# KiCad board CPU.kicad_pcb (continued)
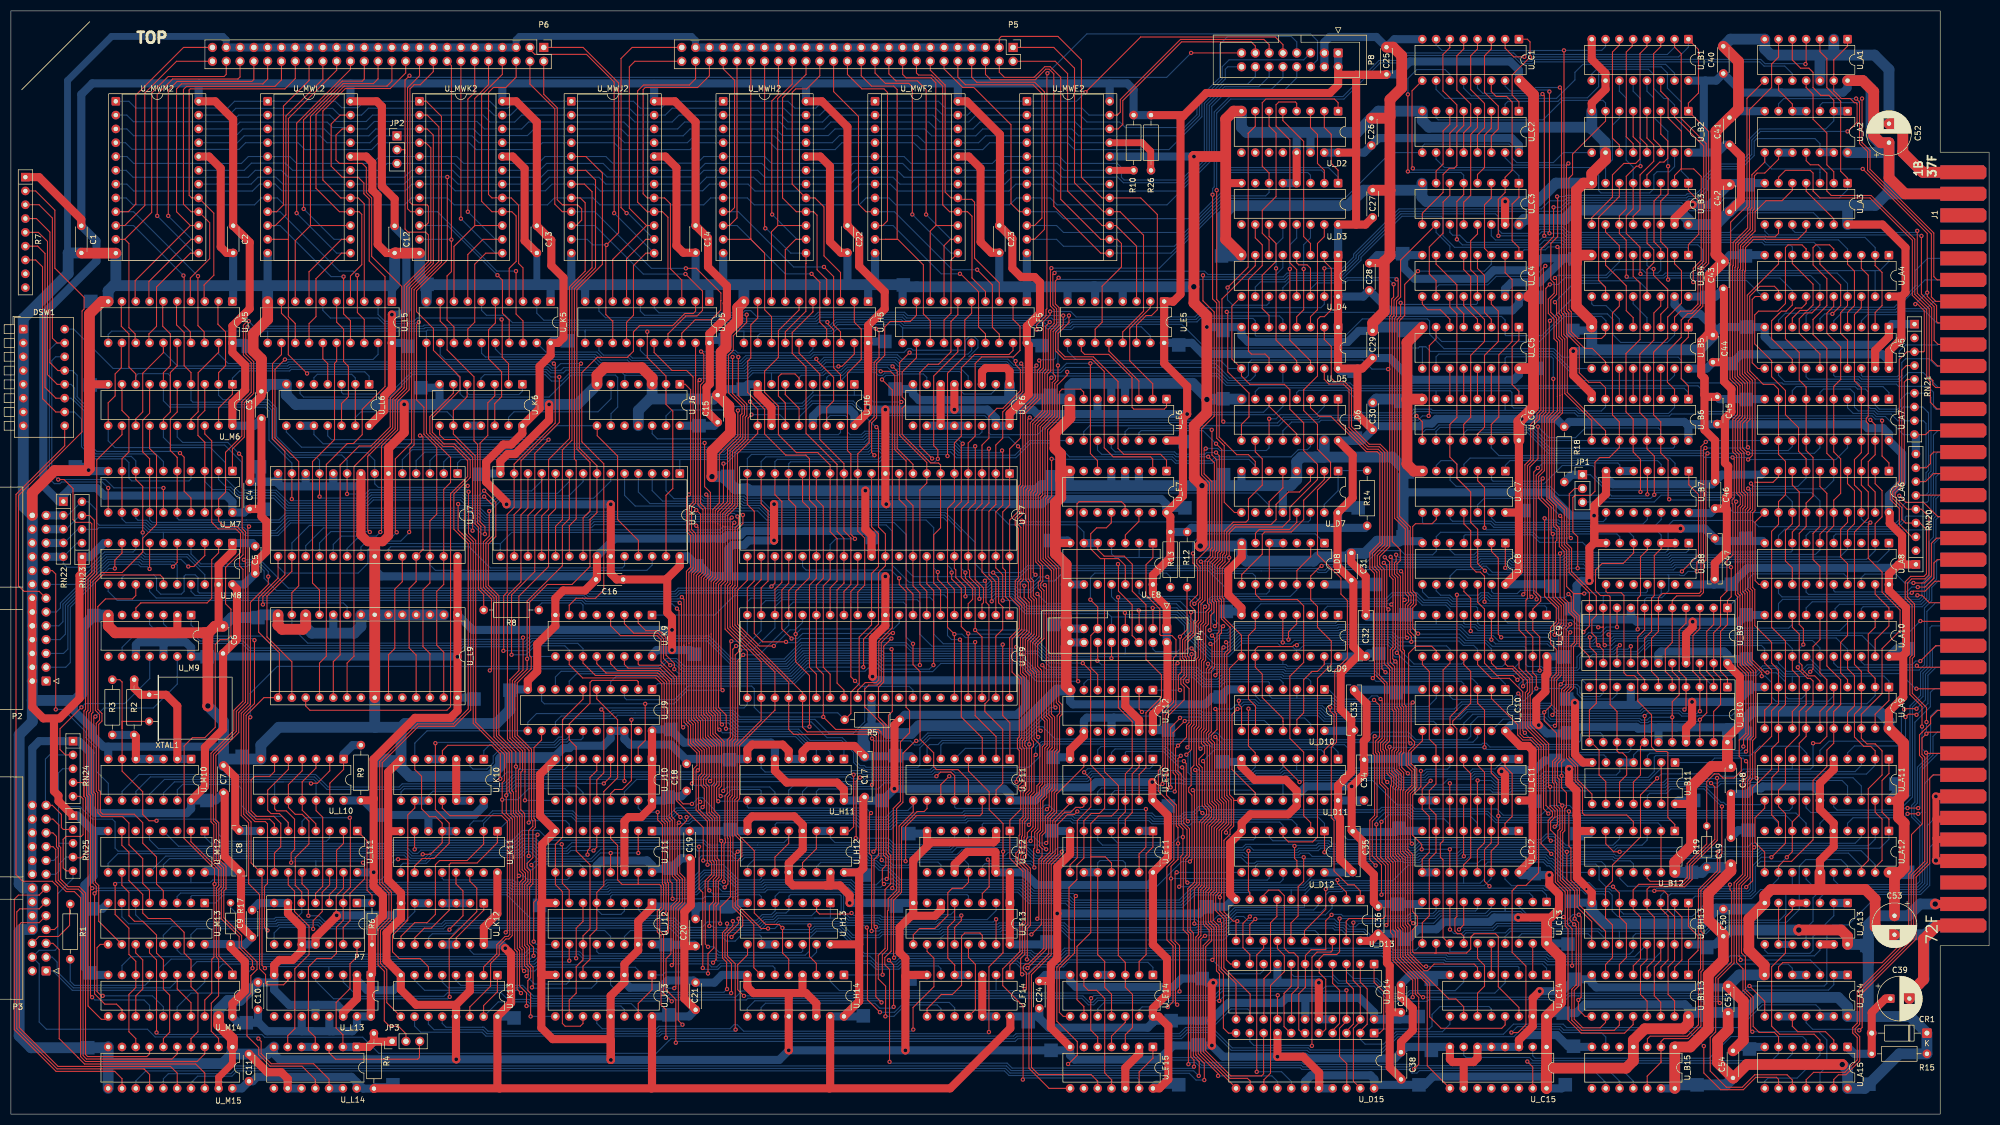
[diagram p0: board, top side]
## Routing (per net, layer and track width the routed paths; a pad name or vN(x,y) marks a point on that pad's centre or on a via; arc(x,y) is an arc through that point) (continued)
  Bottom w2: U_C3.16 278.44,164.64 285.84,164.64 287.54,166.34 306.88,166.34 308.66,164.56 U_B3.16 313.75,163.68 316.11,166.04 C42.1 317.4,167.21 339.33,167.21 ; 345.57,169.85 345.57,169.59 345.82,169.34 J1.2 ; 345.57,169.85 C52.1 343.69,178.74 342.27,180.16 342.27,188.65 340.74,190.17 U_A1.14 ; 345.57,169.85 345.57,169.72 343.06,167.21 337.95,167.21 U_A3.14 ; U_B10.22 315.85,70.94 319.05,70.94 ; 342.01,5.64 347.48,11.1 R15.1 CR1.1 349.51,17.96 341.61,17.96 341.58,17.99 U_A14.14 337.95,19.73 336.22,21.47 321.73,21.47 318.98,18.72 316.11,18.72 C51.1 315.85,18.72 309.39,18.72 U_BL13.16 ; v3(354.08,38.66) 351.29,38.66 349.13,36.5 C53.1 343.41,36.5 341.76,34.85 341.76,27.74 ; 318.82,70.97 318.82,72.44 320.53,74.14 343.74,74.14 345.56,72.32 U_A9.20 ; 341.76,27.74 341.76,17.99 ; 341.76,27.74 341.76,30.02 340.55,31.23 U_A13.14 ; C54.1 315.6,5.38 +5V#29.1 306.81,5.38 U_B15.14 ; C49.1 315.98,45.39 R19.1 311.13,44.47 U_B12.14 ; C50.1 316.24,33.88 v3(328.98,33.88) ; 337.95,176.93 344.33,176.93 ; +5V#10.1 341.12,4.74 U_A15.14 337.95,8.15 v3(336.98,9.13)
GND: length 5274.3
  Top w0.2: 59.87,36.18 59.87,40.23 61.19,41.56 U_L11.15
  Top w1.27: U_M15.1 40.77,9.32 38.23,6.78 U_M15.19 ; 345.56,144.2 U_A5.1
  Top w1.5: C2.2 39.71,158.46 38.61,159.56 38.61,174.04 36.45,176.2 U_MWM2.20 ; RN23.1 13.08,99.51 12.63,99.06 12.63,76.51 8.94,72.82 5.98,72.82 3.94,74.85 3.94,94.84 ; 145.54,22.28 145.67,22.4 U_H14.4 ; 145.54,22.28 143.64,22.28 ; 145.54,22.28 146.31,22.28 148.21,20.38 U_H14.14 ; U_E10.7 194.9,67.06 197.44,69.6 U_E12.9 ; U_E11.7 194.9,47.84 192.53,45.47 192.53,36.92 v2(192.53,36.92) 192.53,28.66 191.36,27.49 191.36,24.48 ; U_MWK2.20 92.33,176.2 94.53,174 94.53,160.71 C13.2 ; 267.08,9.58 265.31,9.58 264.78,10.1 U_C15.8 ; 267.08,9.58 269.12,9.58 269.86,10.32 U_C15.6 ; 267.08,9.58 267.32,9.34 U_C15.10 ; U_E8.8 194.21,97.46 194.17,97.49 ; 168.58,49.28 U_F12.7 ; C33.2 247.14,77.84 249.43,75.56 249.43,69.14 248.92,68.63 248.92,65.29 C34.2 249,62.6 v2(246.7,60.3) 246.7,52.24 C35.2 248.67,50.27 248.67,46.22 250.79,44.1 250.79,39 C36.2 ; U_MWL2.20 65.37,176.2 66.51,175.06 66.51,170.01 67.49,169.02 67.49,160.05 69.09,158.45 C12.2 70.37,158.21 ; 192.2,104.97 192.3,105.08 U_E8.7 ; U_A5.19 343.02,140.51 345.56,143.05 345.56,144.2 ; C37.2 255.78,21.6 256.77,20.62 256.8,20.62 257.94,19.48 257.94,15.42 255.78,13.26 C38.2 ; U_F6.6 U_F6.11 ; 252.66,156.59 249.99,156.59 C28.2 ; U_B12.7 289.08,52.09 ; C24.2 191.36,24.48 ; 191.36,24.48 191.36,15.9 U_E15.7 ; 38.08,89.76 38.23,89.91 U_M8.19 38.23,100.97 40.77,103.52 U_M8.1 ; P4.15 194.81,89.33 194.17,89.98 ; 311.62,135.39 311.62,132.37 312.02,131.97 C45.2 ; 311.62,135.39 311.03,135.99 311.03,142.29 312.09,143.35 C44.2 ; 311.62,135.39 311.62,125.91 313.58,123.95 313.58,116.45 C46.2 ; U_H11.5 143.13,66.86 141.99,68 136.4,68 135.51,67.1 U_H11.8 ; C32.2 249.3,98.9 246.64,101.57 246.64,103.24 C31.2 ; C8.2 41.28,52.95 41.28,61.99 C7.2 ; U_MWJ2.20 120.42,176.2 122.46,174.16 122.46,159.79 123.75,158.5 C14.2 ; 164.59,21.62 164.59,28.68 163.52,29.75 163.52,34.35 165.67,36.5 170.06,36.5 171.12,37.56 171.12,38.85 ; 164.59,21.62 v2(164.59,11.74) ; 164.59,21.62 164.59,25.45 164.75,25.6 U_F14.7 ; U_J12.1 117.97,38.01 115.43,35.47 U_J12.15 115.43,30.13 112.89,27.59 U_J13.3 112.89,24.29 110.35,21.75 U_J13.13 110.35,10.02 v2(110.4,9.97) 110.4,13.6 110.2,13.8 99.7,13.8 97.6,15.9 97.6,28.19 ; 291.34,108.13 291.34,111.94 293.5,114.1 U_B7.7 ; 291.34,108.13 291.34,107.24 ; 291.34,108.13 291.72,107.75 v2(307.22,107.75) ; 66.95,105.18 66.95,105.22 67.06,105.33 ; U_J13.8 97.6,25.6 97.6,28.19 ; 97.6,28.19 97.6,38.83 97.63,38.85 U_J12.8 97.75,38.85 97.75,49.65 U_J11.8 97.35,54.93 97.35,62.5 U_J10.8 ; U_H14.8 135.51,23.68 135.51,23.67 135.51,23.42 136.66,22.28 143.64,22.28 ; U_E15.12 205.06,8.51 207.6,11.05 U_E15.2 ; 240.73,4.74 240.73,7.61 237.77,10.57 v2(233.05,10.57) U_D15.8 ; U_H6.8 137.41,132.53 139.79,130.15 139.79,130.14 139.96,129.97 139.96,126.66 ; v3(217.66,152.24) 217.43,152.01 ; U_L14.9 50.94,6.52 49.75,7.71 47.17,7.71 C11.2 ; 181.28,52.09 181.28,50.48 180.8,50 169.3,50 166.04,46.74 U_F13.8 166.04,36.87 165.5,36.33 ; U_B11.7 289.29,64.69 287.79,66.19 287.79,73.41 v2(287.79,75.68) ; C3.2 46.1,132.15 44.33,130.38 44.18,130.38 44.06,130.26 44.06,116.46 C4.2 ; v2(157.22,114.73) 157.22,107.65 158.37,106.51 U_F7.30 ; U_D9.8 226.43,93.15 224,95.58 224,100.02 226.47,102.49 U_D8.7 ; v2(240.67,24.18) U_D14.18 ; P7.11 56.06,32.53 59.95,36.42 v2(59.95,36.57) ; U_B3.15 306.12,164.81 308.64,167.33 v2(309.41,167.33) ; 143.64,22.28 143.13,21.76 U_H14.12 143.13,11.74 v2(143.13,11.74) ; U_C3.15 274.94,167.9 v2(274.96,167.92) ; U_B2.8 290.88,186.03 293.42,188.57 U_B1.10 293.42,191.52 290.88,194.06 U_B1.8 ; 291.34,107.24 291.34,105.08 U_B8.7 ; 291.34,107.24 291.34,105.08 290.45,104.19 v2(290.45,98.13) ; 194.97,86.72 P4.16 194.81,86.79 194.17,86.15 ; U_F6.1 183.77,136.68 183.16,137.29 179.35,137.29 178.69,136.62 178.69,134.28 ; U_B10.19 308.23,71.04 309.35,72.16 309.35,75.84 v2(309.34,75.85) ; U_K13.3 84.44,22.64 81.9,20.1 81.9,19.34 ; 7.93,72.69 7.93,59.43 8.77,58.6 8.77,57.58 RN25.1 ; U_M9.2 30.62,88.71 30.48,88.57 ; U_K7.14 90.06,120.12 91.38,121.45 92.78,121.45 99.04,127.7 v2(99.04,130.59) ; U_H11.4 145.67,66.72 146.69,67.74 155.2,67.74 C17.2 ; 81.9,19.34 81.9,10.13 v2(81.95,10.08) ; 81.9,19.34 81.92,19.35 81.92,20.12 74.55,20.12 71.74,22.93 U_K13.8 69.12,28.19 69.12,33.36 71.78,36.02 U_K12.7 71.78,40.67 69.42,43.03 69.42,62.94 U_K10.7 ; U_BH13.8 290.88,40.76 288.16,43.49 288.16,54.86 288.08,54.94 288.08,59.53 286.74,60.87 286.74,63.48 v2(286.71,63.5) ; U_D3.4 236.59,176.93 ; v2(220.98,12.62) 220.95,12.66 220.95,17.16 ; P7.6 50.98,36.92 53.53,34.38 P7.10 53.53,30.07 51.82,28.37 49.41,28.37 48.44,27.41 U_L13.8 ; C23.2 180.39,158.5 178.42,160.47 178.42,174.03 176.25,176.2 U_MWF2.20 ; v2(154.33,38.85) 154.33,40.29 152.53,42.09 149.99,42.09 ; U_A11.5 335.4,63.42 332.87,60.88 U_A11.15 332.87,56.06 335.4,53.52 U_A12.5 335.4,49.19 332.87,46.66 U_A12.15 ; U_C15.3 277.48,13.62 280.02,16.16 280.02,21.33 v2(281.31,22.62) ; 14.1,118.42 14.23,118.42 v2(14.3,118.49) ; U_B9.19 308.23,88.35 309.45,89.57 v2(309.45,90.6) ; 225.33,39.5 224.32,40.5 224.32,49.87 226.47,52.02 U_D12.7 226.47,53.54 228.09,55.17 235.04,55.17 236.59,56.72 U_D11.13 236.59,59.5 234.57,61.52 228.86,61.52 226.43,63.95 U_D11.8 ; C22.2 152.72,158.5 150.72,160.5 150.72,174.41 148.92,176.2 U_MWH2.20 ; 149.99,42.09 150.88,42.09 150.79,42.18 U_H12.15 ; 149.99,42.09 143.89,42.09 143.17,42.81 U_H12.12 143.13,44.51 143.13,46.15 145.71,48.73 U_H12.4 145.71,53.23 144.15,54.79 136.4,54.79 135.55,53.93 U_H12.8 ; U_K11.8 69.52,52.06 ; C49.2 C48.2 ; v2(274.27,63.06) 274.92,62.41 U_C11.15 ; 223.52,171.3 U_D3.8 ; 193.44,118.32 193.15,118.03 ; 220.95,17.23 220.95,23.89 v2(221.24,24.18) ; U_B6.8 290.88,132.54 287.48,135.95 287.48,140.39 v2(287.48,140.39) ; U_L13.2 63.69,21.24 61.14,18.69 U_L13.14 ; U_J9.10 95.11,79.74 96.85,81.48 96.85,86.5 100.19,89.84 U_K9.8 100.19,94.91 101.64,96.36 105.63,96.36 C16.2 107.84,98.56 U_K7.22 ; 15.27,134.29 U_M6.10 ; U_E12.13 207.6,72.53 205.06,75.07 U_E12.3
  Top w1.7: v2(72.37,130.59) 72.37,125.41 69.49,122.53 U_J7.6 69.49,106.43 68.39,105.33 65.69,105.33 64.41,106.61 U_J7.8
  Top w2: 290.8,158.06 288.03,158.06 288.03,156.61 ; C3.2 46.1,138.93 44.58,140.46 44.58,143.56 47.24,146.23 U_L5.10 ; C6.2 37.54,89.76 36.35,88.57 35.59,88.57 ; 256.88,131.54 256.88,119.6 258.16,118.32 U_C7.7 ; 256.88,131.54 256.88,141.99 U_C5.8 ; 256.88,131.54 259.63,131.54 259.63,131.56 ; 14.45,134.59 14.45,118.77 14.1,118.42 ; 194.17,91.59 194.17,89.98 ; 194.17,91.59 194.17,84.73 ; 194.17,91.59 194.17,101.14 192.2,103.11 192.2,112.49 193.17,113.46 193.17,116.73 193.15,116.75 ; v3(218.86,104.53) 218.86,104.55 219.18,104.88 219.18,115.63 217.75,117.06 217.75,126.68 220.06,129 220.06,146.89 217.69,149.27 v4(217.69,176.2) 222.94,176.2 ; 253.75,169.98 253.75,186.67 255.91,188.83 255.91,194.74 254.34,196.31 253.11,196.31 ; 253.75,169.98 253.73,170 C27.2 ; 253.75,169.98 253.75,157.94 252.7,156.89 252.7,147.7 250.57,145.57 C29.2 ; C54.2 318.77,13.56 318.77,20.8 C51.2 ; U_J6.3 118,135.42 116.07,137.35 109.23,137.35 107.84,135.96 U_J6.7 ; J1.1 351.77,173.3 348.11,176.96 348.11,181.68 347.55,182.24 C52.2 ; 316.28,183.36 317.88,184.96 317.88,193.69 C40.2 ; U_L9.22 U_L9.7 U_J7.22 66.95,105.18 ; U_H5.10 133.73,148.38 133.73,145.96 131.57,143.79 131.57,141.07 130.69,140.19 130.69,132.94 C15.2 130.08,132.31 132.12,130.27 132.12,128.78 132.41,128.48 132.41,125.4 129,121.98 v3(129,117.3) ; U_L9.14 49.17,89.98 49.15,89.97 49.91,89.21 53.72,89.21 54.25,89.73 U_L9.12 ; 193.15,116.75 193.15,121.48 192.1,122.53 192.1,125.34 194.86,128.09 U_E6.8 ; 193.15,116.75 193.15,118.03 ; U_E12.7 194.17,78.75 194.17,84.73 ; C39.2 349.32,22.15 351.92,24.75 351.92,32.18 354.44,34.7 J1.36 ; v3(36.25,75.11) 36.25,75.11 36.25,88.52 36.2,88.57 35.59,88.57 ; U_E7.8 193.44,118.32 ; 35.59,88.57 27.05,88.57 ; C53.2 344.5,33 343.03,34.47 343.03,39.55 341.25,41.33 332.87,41.33 332.62,41.58 ; 14.1,118.42 8.03,118.42 3.94,114.33 P2.26 ; 194.17,86.15 194.17,84.73 ; U_D2.8 224.98,184.55 223.52,183.08 223.52,160.96 226.31,158.17 226.31,158.06 ; 332.62,41.58 332.36,41.33 323.86,41.33 322.71,40.18 U_A13.7 319.79,35.92 319.79,30.22 322.63,27.38 322.63,25.6 ; 332.62,41.58 332.87,41.83 U_A12.15 ; 288.03,156.61 288.03,169.97 289.36,171.3 U_B3.8 290.88,173.07 293.42,175.61 293.42,176.93 ; 288.03,156.61 288.03,148.6 290.88,145.75 U_B5.8 ; C26.2 253.56,183.25 253.75,183.44 253.75,184.5 ; U_M5.10 16.77,149.53 14.45,147.21 14.45,133.15 ; C12.2 70.8,158.45 70.83,158.42 U_MWK2.12 ; 313.94,171.39 313.94,171.04 C42.2 ; C44.2 312.68,143.86 312.68,154.44 C43.2 313.74,158.21 313.74,180.86 C41.2 ; U_M9.7 17.92,89.82 19.18,88.57 30.48,88.57 ; U_M14.19 38.23,16.44 40.77,13.9 U_M15.1 ; U_MWM2.12 13,158.42
  Bottom w0.2: U_C12.15 274.92,43.23 276.12,42.03 282.14,42.03 282.52,41.65 289.65,41.65 v1(289.9,41.41)
  Bottom w1.27: 39.63,196.27 39.63,197.66 38.99,198.3 18.55,198.3 10.42,190.17 10.42,158.46 ; 125.99,196.27 125.99,197.54 125.23,198.3 93.6,198.3 92.97,197.67 P6.5 ; C13.2 96.78,152.83
  Bottom w1.5: v2(309.41,167.33) 312.52,167.33 C42.2 316.49,171.3 U_A3.7 ; U_F12.7 168.09,51.61 GND#55.1 ; 194.44,152.07 194.43,152.06 U_E5.8 ; U_C4.15 274.94,151.84 276.15,153.05 281.3,153.05 285.73,157.47 287.49,157.47 ; 91.97,78.15 U_J9.10 ; GND#54.1 225.91,64.82 U_D11.8 ; U_F9.30 158.37,72.69 158.37,72.69 158.37,70.79 ; 288.09,94.05 288.09,97.26 288.97,98.13 v2(290.45,98.13) ; 17.91,67.62 17.91,65.35 ; U_K10.7 68.81,65.3 ; 164.08,151.82 U_F5.10 ; 132.96,37.76 134.05,38.85 U_H13.7 ; U_C11.8 249.13,65.34 C34.2 ; U_E11.7 191.54,52.09 ; P4.14 P4.16 ; 202.95,72.95 206.52,72.95 207.6,71.87 U_E12.13 ; 202.95,72.95 202.52,72.52 U_E12.11 ; 202.95,72.95 198,72.95 197.49,72.44 197.49,72.31 197.44,72.26 U_E12.9 ; C5.2 44.96,104.57 44.46,105.08 U_M8.1 ; 78.88,130.61 U_K6.7 78.24,133.66 GND#21.1 ; U_J12.1 118.61,38.21 126.69,38.21 ; U_MWE2.12 186.94,152.33 ; 235.71,115.88 233.81,115.88 234.05,115.64 U_D7.12 ; GND#34.1 165.59,133.43 165.99,133.03 ; U_J13.3 112.89,24.28 113.9,23.27 119.54,23.27 120.84,24.58 125.61,24.58 C21.2 129.44,24.2 130.84,25.6 U_H14.8 ; GND#71.1 290.24,144.2 290.88,143.56 ; GND#67.1 215.42,24.94 213.86,23.38 195.99,23.38 194.9,24.47 U_E14.7 190.36,25.6 C24.2 ; U_D3.4 U_D3.5 ; 256.28,91.48 256.27,91.47 249.59,91.47 C32.2 ; 49.07,116.35 49.17,116.45 U_J7.14 49.17,116.07 49.73,115.51 63.86,115.51 64.41,116.06 U_J7.8 ; 49.07,116.35 C4.2 ; 49.07,116.35 45.85,116.35 45.75,116.45 GND#48.1 ; U_BH13.8 290.64,38.85 290.58,38.91 287.53,38.91 GND#59.1 ; C17.2 165.53,65.84 U_F11.8 ; U_L13.2 63.69,24.66 65.57,22.78 70.36,22.78 71.76,24.18 71.76,25.55 ; 256.16,113.72 256.86,114.41 282.73,114.41 287.01,110.13 v2(291.32,110.13) ; U_MWJ2.12 103.12,152.43 ; U_D14.18 U_D14.19 ; U_MWL2.12 47.24,152.06 47.25,152.07 ; C9.2 45.68,38.85 P7.6 ; U_C13.10 259.32,38.63 GND.1 255.17,38.66 252.05,38.66 C36.2 ; GND#58.1 254.89,78.1 ; 254.89,78.1 259.67,78.1 U_C10.7 ; 254.89,78.1 C33.2 ; U_L5.1 70.1,151.81 70.36,152.07 70.26,152.17 70.08,152.17 ; U_D10.7 223.89,78.15 GND#7.1 221.11,76.76 219.75,75.4 195.42,75.4 194.9,75.92 U_E12.7 ; v4(217.69,176.2) U_MWE2.20 ; U_A2.7 317.42,184.55 C41.2 ; 220.04,131.55 220.06,131.53 v3(220.06,131.5) ; GND#35.1 194.14,90.09 P4.15 P4.13 ; P6.5 39.63,196.27 ; 19.31,152.2 19.54,152.43 ; C28.2 251.46,158.06 U_C4.8 ; 239.13,179.61 239.13,176.93 ; C22.2 153.93,152.58 ; U_B12.7 290.44,51.61 GND#36.1 ; U_M14.10 14.94,25.6 GND#2.1 13.54,27 13.54,42.14 15.19,43.79 15.19,52.04 15.14,52.09 ; 290.88,24.82 GND#25.1 285.46,22.62 v2(281.31,22.62) ; U_A11.15 332.87,59.11 331.69,60.29 322.35,60.29 322,59.94 320.52,59.94 319.51,58.93 C48.2 ; U_M5.10 GND#41.1 ; GND#11.1 225.75,92.51 U_D9.8 ; C8.2 42.13,52.09 U_L11.8 ; U_A7.10 314.38,131.56 C45.2 ; GND#31.1 317.84,52.25 C49.2 ; U_B15.7 287.9,12.36 ; GND#49.1 194.58,65.66 U_E10.7 ; U_B9.8 298.07,91.11 298.09,91.13 ; 167.12,131.38 170.58,131.38 ; 167.12,131.38 178.23,131.38 ; 167.12,131.38 166.96,131.55 ; 167.12,131.38 165.99,132.52 165.99,133.03 ; 45.98,91.88 GND#5.1 ; U_D11.13 236.59,58.59 238.3,60.3 v2(246.7,60.3) ; 76.45,151.82 76.21,152.07 ; 205.93,10.03 211.28,10.03 213.87,12.62 v2(220.98,12.62) 223.03,10.57 v2(233.05,10.57) 238.12,10.57 238.44,10.25 254.63,10.25 256.74,12.36 U_C15.8 ; 205.93,10.03 195.71,10.03 194.9,10.84 U_E15.7 194.27,11.74 v2(164.59,11.74) v2(143.13,11.74) 141.37,9.97 v2(110.4,9.97) 110.29,10.08 v2(81.95,10.08) 49.41,10.08 48.39,11.09 U_L14.7 ; 205.93,10.03 206.96,10.03 207.6,10.67 U_E15.2 ; 15.14,52.09 12.32,54.91 RN25.1 ; 15.14,52.09 U_M12.8 ; 225.33,39.5 224.87,39.5 223.52,38.15 GND#51.1 218.73,36.92 v2(192.53,36.92) ; U_F6.6 171.07,131.87 171.03,131.84 ; 105.42,152.07 105.66,151.82 U_J5.10 ; C2.2 40.9,149.78 40.64,149.52 ; U_F14.7 166.21,25.6 GND#64.1 ; 202.48,116.29 U_E7.5 ; U_L14.9 U_L14.10 ; P8.4 P8.3 241.68,197.23 242.65,198.2 251.23,198.2 253.11,196.31 254.59,197.79 U_C1.8 ; U_F6.8 165.99,133.03 ; v2(307.22,107.75) 311.69,107.75 C47.2 313.98,105.46 318.77,105.46 GND#46.1 319.79,105.46 322.32,105.46 U_A8.10 ; 71.78,71.15 71.76,71.17 ; P7.11 P7.10 ; GND#38.1 318.01,90.6 v2(309.45,90.6) 309.44,90.61 299.16,90.61 298.75,91.02 289.22,91.02 289.11,91.13 288.91,91.13 288.04,92 288.04,94.41 ; U_F6.10 U_F6.13 ; 259.61,105.21 U_C8.7 259.39,105.42 255.36,105.42 ; 288.04,64.69 284.61,64.69 GND#72.1 282.2,65.07 280.44,63.31 274.52,63.31 v2(274.27,63.06) ; U_H6.8 135.63,134.28 GND#27.1 131.15,133.4 C15.2 ; 56.53,20.1 60,20.1 61.14,18.96 U_L13.14 ; 56.53,20.1 56.06,19.63 U_L13.12 ; 56.53,20.1 51.2,20.1 48.44,22.86 U_L13.8 48.44,24.23 45.6,24.23 ; 135.52,52.12 124.95,52.12 C19.2 118,52.07 U_J11.1 ; U_C12.8 259.66,52.12 255.91,52.12 GND#18.1 254.69,51.91 247.02,51.91 C35.2 ; 126.69,38.21 131.64,38.21 ; 126.69,38.21 125.99,37.52 C20.2 ; GND#13.1 256.36,158.07 256.36,155.64 258.3,153.7 271.3,153.7 272.85,155.26 279.51,155.26 281.72,157.47 287.49,157.47 ; 194.69,131.39 U_E6.8 ; 186.94,151.81 U_F5.1 ; U_E7.3 207.56,115.86 207.55,115.85 ; 291.77,140.64 291.52,140.39 v2(287.48,140.39) ; U_J5.1 128.52,152.06 128.53,152.07 ; 287.49,157.47 287.61,157.35 GND#65.1 288.5,158.06 U_B4.8 ; GND#69.1 13.69,119.1 v2(14.3,118.49) 14.47,118.32 U_M7.10 ; U_C9.10 256.71,91.83 ; U_A15.7 317.57,12.36 C54.2 ; REF**#2.1 319.28,77.52 317.61,75.85 v2(309.34,75.85) 299.94,75.85 299.37,75.28 288.19,75.28 v2(287.79,75.68) 287.09,76.38 GND#63.1 ; U_A4.10 316.29,158.06 C43.2 ; 39.33,67.4 39.12,67.62 17.02,67.62 14.89,69.75 14.89,70.97 11.58,74.27 11.58,75.6 11.05,76.12 ; U_J10.8 100.19,65.89 101.67,67.36 102.79,67.36 103.21,67.78 109.01,67.78 110.35,69.12 U_J9.17 U_J9.18 112.89,69.03 113.92,68 121.48,68 124.13,65.34 U_H11.8 124.64,65.34 124.34,65.04 C18.2 ; 236.59,180.38 236.59,176.93 ; v2(59.95,36.57) 70.69,36.57 71.78,37.67 U_K12.7 ; U_H11.5 U_H11.4 ; GND#29.1 194.44,105.54 U_E8.7 ; U_M6.10 17.78,134.16 GND#8.1 ; U_H5.1 157.73,151.82 ; U_B4.15 306.12,148.97 307.85,147.24 310.77,147.24 313.19,144.83 C44.2 314.64,144.81 U_A5.10 322.7,143.03 324.18,141.55 344.07,141.55 345.56,143.05 U_A5.1 346.11,145.35 350.13,145.35 ; C29.2 248.02,144.12 245.98,142.08 227.65,142.08 226.43,143.3 U_D5.8 220.09,144.81 v2(220.06,144.83) ; v2(154.33,38.85) 162.37,38.85 GND#62.1 ; 240.73,4.74 243.27,4.74 ; U_A10.10 319.32,91.83 ; GND#28.1 16.8,37.77 U_M13.8 ; U_M15.10 17.91,10.84 ; U_MWH2.12 131.06,152.58 ; 59.33,88.5 U_L9.10 ; 204.59,152.06 U_E5.4 ; 183.77,131.85 183.31,131.39 177.52,131.39 ; U_BL13.8 290.88,24.16 291.72,23.32 315.71,23.32 C51.2 ; U_E6.4 205.02,133.59 ; U_K7.22 107.84,102.64 111.1,105.9 131.15,105.9 131.74,106.49 134.22,106.49 135.04,107.31 157.29,107.31 GND#73.1 ; 226.43,116.4 U_D7.8 ; 59.33,115.85 U_J7.10 ; v2(286.71,63.5) 286.71,64.51 286.9,64.69 U_B11.7 ; 205.06,75.46 U_E12.3 ; 298.07,75.62 U_B10.8 ; 99.32,152.07 99.32,149.53 ; 158.37,105.71 U_F7.30 ; 199.5,149.53 199.5,152.06 199.52,152.07 ; 205.57,115.65 205.02,116.19 U_E7.4 ; U_MWF2.12 159,152.84 ; 202.48,133.62 U_E6.5 ; C37.2 255.78,23.93 257.46,25.6 U_C14.8 ; C23.2 181.87,152.32 ; 107.63,98.35 107.03,98.95 68.15,98.95 66.95,100.15 U_J7.22 ; U_J12.8 97.73,38.85 ; U_B7.7 293.5,117.17 294.77,115.9 313.04,115.9 C46.2 314.8,117.66 322.05,117.66 U_A6.10 ; GND#52.1 286.51,12.5 284.46,14.55 278.41,14.55 277.48,13.62 U_C15.3 U_C15.6 ; 219.42,24.94 220.18,24.18 v2(221.24,24.18) v2(240.67,24.18) ; 233.05,24.18 U_D14.8 ; P5.5 125.99,196.27 ; U_K7.14 86.38,117.87 GND#56.1 ; U_M8.10 17.14,105.08 14.59,102.52 RN23.1 ; U_E8.9 U_E8.8 ; U_F13.8 162.1,38.85 ; 54.25,115.85 U_J7.12 ; C14.2 125.99,152.58 ; U_E7.8 194.86,115.69 ; U_A9.10 319.33,78.59
  Bottom w2: U_C2.8 259.7,182.82 260.93,181.59 290.6,181.59 290.88,181.31 ; U_E12.7 192.47,78.02 185.92,71.47 167.07,71.47 165.63,70.03 161.42,70.03 160.4,71.04 157.88,71.04 ; U_K5.10 76.45,151.82 ; 226.47,102.53 226.47,104.29 226.23,104.53 v3(218.86,104.53) ; 226.47,102.53 227.24,101.76 ; 226.47,102.53 U_D8.7 ; U_L9.22 66.95,71.28 67.06,71.17 ; U_B5.8 290.88,140.97 291.21,140.64 310.64,140.64 313.19,143.18 C44.2 ; U_D4.8 226.29,157.91 GND#50.1 222.76,165.15 224.77,167.16 246.02,167.16 248.86,170 C27.2 259.63,170 ; 67.06,71.17 49.28,71.17 46,67.89 U_L10.7 39.33,65.34 39.12,65.13 C7.2 39.12,72.24 v3(36.25,75.11) ; 67.06,71.17 71.76,71.17 ; U_A1.2 335.41,194.87 ; U_D6.15 241.67,120.9 239.97,120.9 ; DSW1.8 DSW1.1 2.29,146.4 10.54,154.66 10.54,158.46 C1.2 ; 227.36,101.76 239.73,101.76 240.49,102.52 245.92,102.52 246.58,103.17 249.17,103.17 251.41,105.42 255.36,105.42 GND#60.1 256.16,117.4 GND#61.1 254.19,120.9 239.97,120.9 ; C12.2 70.62,152.71 70.08,152.17 ; U_B2.8 290.88,181.31 ; 290.88,181.31 293.34,178.85 293.34,176.93 ; U_M14.19 38.23,19.22 39.92,20.92 42.16,20.92 C10.2 ; 223.01,115.65 v3(219.16,115.65) 193.32,115.65 ; 223.01,115.65 235.49,115.65 236.59,116.75 U_D7.4 236.59,120.05 237.43,120.9 239.97,120.9 ; 223.01,115.65 223.01,117.53 GND#42.1 ; U_L5.10 47.24,152.06 ; v3(220.06,131.5) 220.06,131.85 217.45,134.46 195.43,134.46 194.86,133.9 U_E6.8 ; 72.37,130.59 v2(72.37,130.59) 72.37,130.59 ; 72.37,130.59 52.4,130.59 50.68,132.3 50.68,134.28 47.39,134.28 C3.2 ; 72.37,130.59 104.24,130.59 107.84,134.19 U_J6.7 ; U_M9.7 15.33,91.83 GND#47.1 13.08,89.59 13.08,77.39 11.81,76.12 3.94,76.12 ; U_D2.8 226.43,181.55 227.33,180.65 247.72,180.65 C26.2 251.62,184.55 259.63,184.55 ; U_A13.7 321.6,37.73 C50.2 313.78,37.73 311.06,35.01 293.21,35.01 290.88,37.34 U_BH13.8 ; C30.2 251.23,131.56 U_C6.8 ; U_C5.8 251.27,144.81 C29.2 ; 193.32,115.65 191.77,115.65 191.65,115.77 GND#9.1 ; 193.32,115.65 189.64,115.65 188.69,114.7 135.83,114.7 135.48,115.06 133.29,115.06 131.85,116.5 GND#19.1 131.8,117.3 v3(129,117.3) ; C17.2 157.1,68.14 156.8,68.44 156.8,69.96 157.63,70.79 ; 220.04,131.55 220.06,131.56 U_D6.8 ; U_L9.12 54.25,89.62 55.37,88.5 63.17,88.5 64.41,89.73 U_L9.8 79.65,91.88 ; 183.77,132.25 U_F6.1 ; v3(217.66,152.24) 199.32,152.24 ; U_M15.11 U_M15.10 17.76,12.22 3.71,12.22 1.53,14.4 1.53,33.58 1.92,33.97 P3.8 P3.14 2.28,41.59 1.53,42.34 1.53,69.8 3.94,72.21 3.94,76.12 ; U_A1.12 332.87,194.49 ; 3.94,76.12 P2.2 P2.26 2.29,111.82 2.29,126.65 ; U_MWK2.12 75.18,154.08 GND#24.1 76.63,152.63 164.16,152.63 GND#15.1 164.55,152.24 199.35,152.24 199.52,152.07 ; C15.2 129.33,131.58 117.57,131.58 115.46,129.48 U_J6.11 ; U_J6.3 118,132.02 ; C53.2 352.48,33 354.18,34.7 J1.36 353.93,34.7 352.05,32.82 352.05,24.87 349.32,22.15 C39.2 ; 69.99,152.45 18.85,152.45 17.91,151.51 ; C40.2 316.4,197.79 U_A1.7 322.71,196.01 323.86,194.86 342.91,194.86 345.57,192.2 C52.2 347.91,182.24 348.11,182.04 348.11,176.96 351.77,173.3 J1.1 ; 17.91,9.47 18.08,9.3 38.97,9.3 40.77,11.09 U_M15.1 40.72,12.31 40.72,11.15 40.81,11.06 47.09,11.06 U_L14.7 ; 194.49,131.59 184.04,131.59 183.77,131.85 ; GND#5.1 40.65,91.36 C6.2 ; 19.31,152.65 U_MWM2.12 ; 290.8,171.3 284.28,171.3 280.9,167.92 v2(274.96,167.92) 260.46,167.92 259.63,168.75 259.63,171.3 ; GND#57.1 91.82,74.37 89.33,71.88 72.52,71.88 71.78,71.15 U_K10.7 71.78,63.76 73.41,62.13 88.14,62.13 90.1,64.09 90.1,65.34 90.37,65.61 99.92,65.61 U_J10.8 ; U_L9.14 45.98,91.88 ; U_A14.7 317.99,25.6 C51.2 ; U_M5.10 17.91,151.46 17.96,151.51 ; U_C7.7 257.08,118.32 ; U_H5.10 134.87,151.56
/Addr U/D: length 348.4
  Top w0.2: v1(191.45,135.51) 191.15,135.21 191.15,128.87 188.93,126.65 188.93,114.35 188.57,113.99 188.57,101.61 189.41,100.77 189.41,98.21 189.04,97.83 189.04,96.75 189.64,96.15 189.64,87.71 188.47,86.55 188.47,82.21 189.18,81.5 189.18,70.84 v1(189.48,70.54) ; U_C2.1 277.48,186.25 276.23,187.5 276.23,191.19 v1(279.53,194.49) 279.53,197.28 279.02,197.79 U_C1.1 ; U_C5.1 277.48,142.44 276.23,141.19 276.23,134.25 277.48,133 U_C6.1 ; 308.66,197.74 310.52,195.88 310.52,187.88 308.66,186.03 U_B2.1 312.38,180.82 312.38,156.53 311.32,155.47 311.32,148.67 309.19,146.54 309.18,146.54 308.66,146.02 U_B5.1 308.66,142.97 307.34,141.66 307.34,135.31 308.66,133.99 U_B6.1
  Bottom w0.2: U_B1.1 308.66,196.31 306.87,194.53 279.57,194.53 v1(279.53,194.49) ; U_F11.7 168.58,67.53 169.04,68 170.58,68 171.34,68.75 187.1,68.75 188.89,70.54 v1(189.48,70.54) ; U_C6.1 277.48,133.53 277.5,133.55 ; v1(191.45,135.51) 191.76,135.82 221.9,135.82 223.62,134.09 246.22,134.09 246.75,133.55 307.9,133.55 308.66,132.8 U_B6.1
/Addr_Clock: length 196.4
  Top w0.2: v1(219.85,122.46) 219.55,122.16 219.55,117.81 220.99,116.38 220.99,104.13 220.69,103.83 220.69,102.77 219.72,101.8 219.72,94.56 218.97,93.81 218.97,90.71 218.48,90.22 218.48,84.06 218.15,83.73 218.15,71.48 217.69,71.02 217.69,64.15 217.17,63.64 217.17,60.5 216.72,60.05 216.72,59.3 217.32,58.7 217.32,46.85 v1(216.94,46.48) ; v1(231.52,127.94) 231.51,127.92 U_D6.11
  Bottom w0.2: v1(216.94,46.48) 215.42,46.48 210,41.06 188.27,41.06 186.23,43.1 163.73,43.1 161.52,45.31 159.97,45.31 159.1,46.18 157.7,46.18 157.1,46.78 136.65,46.78 135.55,45.68 U_H12.9 ; U_D6.2 241.67,130.21 240.16,128.7 233.56,128.7 232.79,127.94 v1(231.52,127.94) ; v1(219.85,122.46) 219.89,122.5 222.06,122.5 222.46,122.1 231.02,122.1 231.51,122.59 U_D6.11
